# Altium PCB 第十三届电磁PCB.PcbDoc (part 1 of 2) (continued)
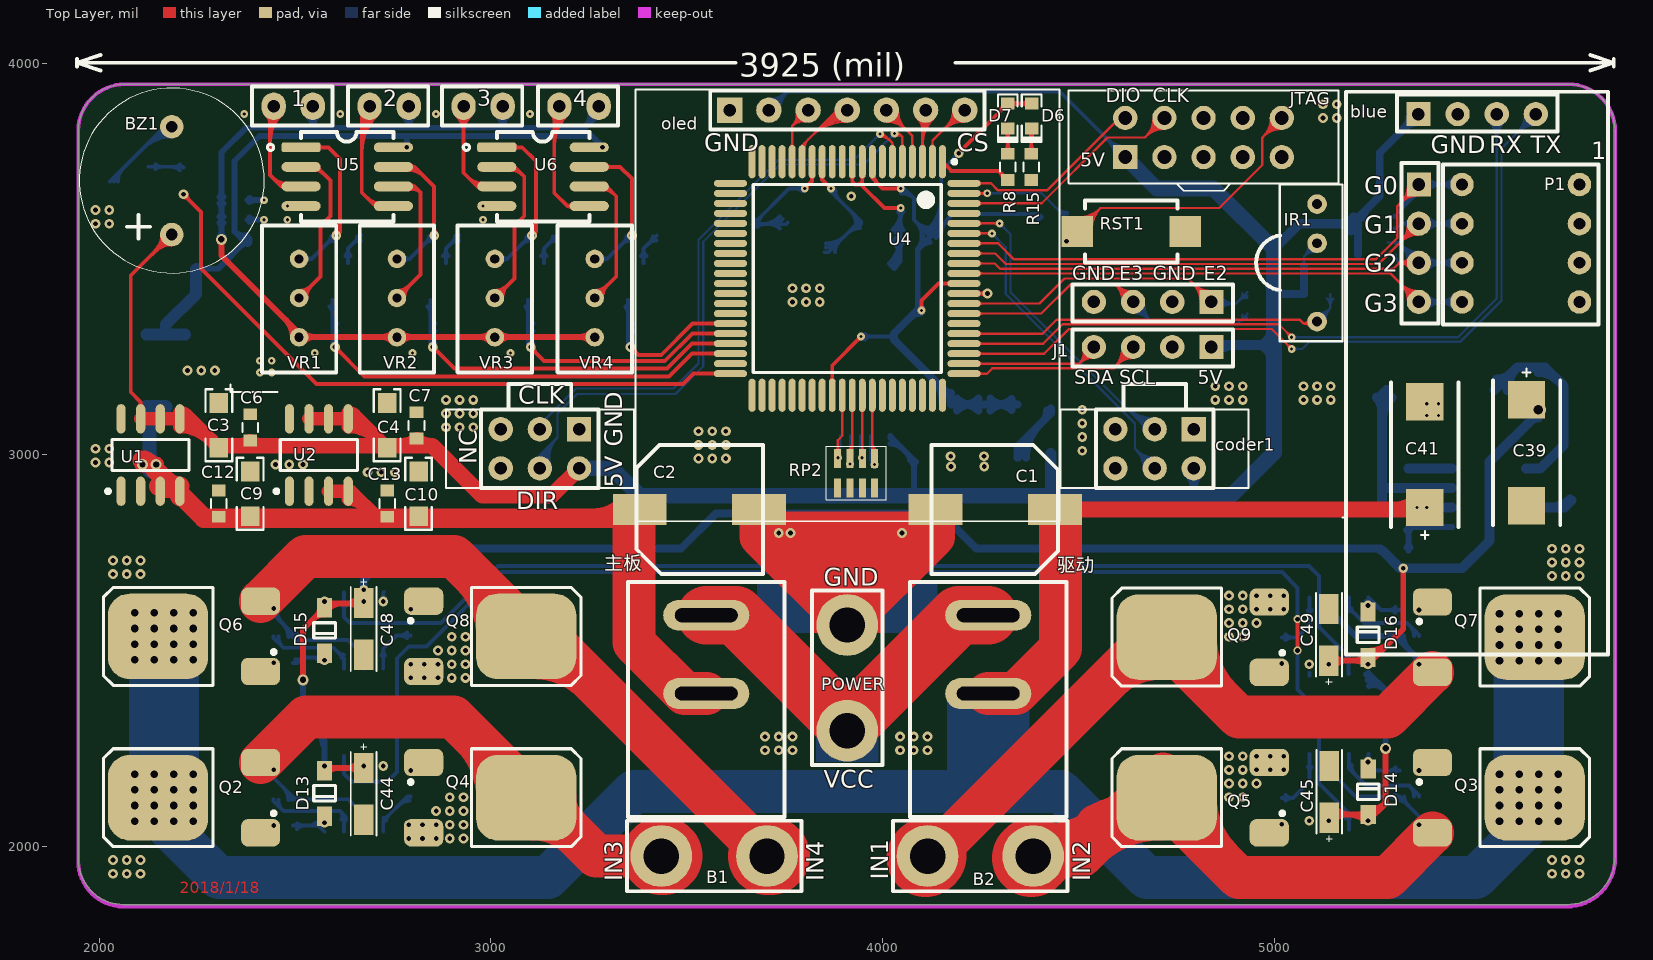
[diagram p0: Top Layer view]
## Nets (pads, with @x,y where several pads share a name; then routed paths per layer and width w, separated by ;. In a path a pad name is that pad's centre, name@x,y a point inside that pad or via, vN(x,y) a via of type N, cw(c..) or ccw(c..) an arc to the next point about the centre after c; other vN are vias at no path point) (continued)
  Bottom Layer w15: U7.20@4020,3027.97 cw(c4020,2983.24) 4051.63,3014.87 ; U7.20@4020,3042.97 cw(c4020,3034.46) 4026.02,3040.48 ; U7.20@4020,3048.03 4020,3046.5 C38.2@4080,2986.5 4080,2895 ; 4062.93,3003.57 cw(c4045.86,2986.5) C38.2@4070,2986.5 ; C38.2@4074.7,2981.2 cw(c4061.89,2968.39) 4080,2968.39 cw(c4098.11,2968.39) C38.2@4085.3,2981.2
  Bottom Layer w20: coder1.6@4780.15,2950.15 cw(c4744.3,2914.3) 4795,2914.3 cw(c4845.7,2914.3) coder1.6@4809.85,2950.15 ; 4795,2895 coder1.6@4795,2965 ; R3.2@4998.5,3415 5000,3413.5 5003.5,3410 R5.2@5076.5,3410 C16.2@5076.5,3470 ; R3.2@5002.04,3416.04 ccw(c5016.61,3430.61) 5016.61,3410 ; RP1.8@5214.41,3510.51 RP1.6@5214.41,3542.01 RP1.4@5214.41,3573.5 RP1.2@5214.41,3605 5270,3660.59 5270,3771.29 blue.1@5368.71,3870 ; RP1.2@5228.42,3605 cw(c5262.26,3605) 5238.33,3628.93 ; blue.1@5347.71,3870 cw(c5297.01,3870) 5332.86,3834.15 cw(c5368.71,3798.3) blue.1@5368.71,3849
  Bottom Layer w25: J1.1@4840,3280 5000,3280 ; J1.1@4853.08,3261.92 cw(c4896.73,3218.27) 4896.73,3280 ; J1.1@4853.08,3288.08 ccw(c4872.59,3307.59) 4872.59,3280 ; 5000,3525 5065,3590 5199.41,3590 ; 5168.22,3590 cw(c5168.22,3542.47) RP1.4@5201.83,3576.08 ; 5171.83,3590 ccw(c5171.83,3632.42) RP1.2@5201.83,3602.42 ; RP1.4@5195.89,3572.09 cw(c5210.98,3578.43) 5199.41,3590 ; RP1.2@5202.6,3606.42 cw(c5188.83,3600.58) 5199.41,3590 ; RP1.4@5211.42,3571.42 cw(c5232.98,3586.43) RP1.2@5214.41,3605 5199.41,3590
  Bottom Layer w30: 4430,2900 D3.1@4430,3001.93
  Bottom Layer w40: P-coder2.6@3225,2965 3310,2965 3380,2895 4080,2895 4425,2895 ; 4430,2900 4425,2895 ; JTAG.1@4620,3760 4700,3680 4845,3680 5000,3525 5000,3413.5 5000,3280 5000,3005 4890,2895 4795,2895 4425,2895
7V2: POWER.2 主板.1 驱动.1 | length 971.1
  Top Layer w150: 主板.1@3550,2590 3625,2590 POWER.2@3910,2305 ; POWER.2@3910,2295 POWER.2@3910,2305 ; 驱动.1@4270,2590 4195,2590 POWER.2@3910,2305
  Bottom Layer w150: POWER.2@3910,2290 POWER.2@3910,2295
12V: C39.1 C44.1 C45.1 C48.1 C49.1 D12.2 D13.1 D14.1 D15.1 D16.1 R25.1 U9.1 U9.3 U10.1 U10.3 U11.1 U11.3 U12.1 U12.3 | length 6524
  Top Layer w15: v4@2515.4,2429.6 ccw(c2504.31,2440.69) 2520,2440.69 ccw(c2535.69,2440.69) v4@2524.6,2429.6 ; v4(2520,2425) 2520,2554.07 D15.1@2575,2609.07 ; 2545.8,2579.87 cw(c2575,2550.67) D15.1@2575,2591.96 ; 2555.2,2589.27 ccw(c2519.47,2625) D15.1@2570,2625 ; D15.1@2557.68,2591.75 ccw(c2545.28,2604.15) D15.1@2562.82,2604.15 ; v1(2575,2205) 2580,2200 C44.1@2675,2200 ; D15.1@2575,2620 2674,2620 C48.1@2675,2621 v1(2675,2625) C48.1@2675,2615 ; D13.1@2578.27,2201.22 cw(c2585.42,2192.95) D13.1@2590.88,2202.41 ; D13.1@2578.54,2208.54 ccw(c2599.14,2229.14) 2599.14,2200 ; D15.1@2578.54,2628.54 ccw(c2599.14,2649.14) 2599.14,2620 ; D13.1@2583.62,2189.38 cw(c2609.26,2163.73) 2609.26,2200 ; D13.1@2583.62,2206.61 ccw(c2599.57,2222.56) 2599.57,2200 ; D15.1@2583.62,2605.38 cw(c2618.92,2570.07) 2618.92,2620 ; 2630.34,2620 ccw(c2630.34,2665.66) C48.1@2662.63,2633.37 ; 2635.17,2620 cw(c2635.17,2581.17) C48.1@2662.63,2608.63 ; 2648.88,2625.44 cw(c2657.79,2609.99) C48.1@2671.23,2621.71 ; 2649.97,2205.07 cw(c2658.53,2190.25) C44.1@2671.27,2201.66 ; C44.1@2650.86,2200 ccw(c2650.86,2229.14) C44.1@2671.46,2208.54 ; C48.1@2650.86,2620 ccw(c2650.86,2649.14) C48.1@2671.46,2628.54 ; C44.1@2662.63,2187.63 ccw(c2632.75,2157.75) 2632.75,2200 ccw(c2632.75,2242.25) C44.1@2662.63,2212.37 ; C48.1@2664.66,2634.55 cw(c2671.79,2622.2) C48.1@2682.54,2631.57 ; C44.1@2665.97,2214.3 cw(c2672.59,2202.84) C44.1@2682.45,2211.67 ; C45.1@5132.93,2072.07 cw(c5154.31,2050.69) C45.1@5154.31,2080.93 ; C49.1@5140,2474 5232.07,2474 D16.1@5240,2481.93 5256.93,2481.93 5330,2555 v1(5330,2710) ; C45.1@5141,2073 C45.1@5148.93,2080.93 ; C49.1@5142.32,2469.43 ccw(c5154.08,2491.88) 5166.76,2469.93 ; C45.1@5143.54,2061.46 cw(c5190.53,2014.47) 5190.53,2080.93 ; C49.1@5143.54,2461.46 cw(c5173.8,2431.2) 5173.8,2474 ; C45.1@5144.85,2066.21 cw(c5159.89,2069.97) C45.1@5148.93,2080.93 ; C49.1@5152.37,2461.63 cw(c5182.25,2431.75) 5182.25,2474 cw(c5182.25,2516.25) C49.1@5152.37,2486.37 ; C45.1@5153.37,2074.31 cw(c5169.36,2058.32) 5169.36,2080.93 ; C45.1@5153.37,2099.06 ccw(c5197.14,2142.82) 5197.14,2080.93 ; 5189.47,2080.93 cw(c5189.47,2014.47) D14.1@5236.46,2061.46 ; 5203.32,2474 ccw(c5203.32,2513.69) D16.1@5231.38,2485.62 ; 5206.2,2474 cw(c5206.2,2431.2) D16.1@5236.46,2461.46 ; 5217.84,2474 cw(c5217.84,2454.85) D16.1@5231.38,2468.39 ; D14.1@5225.53,2076.27 cw(c5215.18,2058.35) D14.1@5235.17,2063.71 ; D14.1@5225.69,2080.93 cw(c5225.69,2050.69) D14.1@5247.07,2072.07 ; D16.1@5225.99,2471.5 ccw(c5234.37,2486.01) D16.1@5238.71,2469.83 ; D14.1@5232.38,2072.31 ccw(c5211.58,2051.51) 5211.58,2080.93 ccw(c5211.58,2110.35) D14.1@5232.38,2089.55 ; v1(5240,2065) 5285,2110 ; D16.1@5240,2484.04 ccw(c5240,2529.99) 5272.5,2497.5 ; D16.1@5240,2499.04 ccw(c5240,2581.2) 5298.1,2523.1 ; D14.1@5240.41,2083.1 ccw(c5246.15,2109.86) 5265.51,2090.51 ; D14.1@5241,2080.93 C45.1@5148.93,2080.93 ; D14.1@5243.56,2097.76 ccw(c5253.04,2141.96) 5285,2110 ; v4@5280.4,2245.4 cw(c5269.31,2234.31) 5285,2234.31 cw(c5300.69,2234.31) v4@5289.6,2245.4 ; v4(5285,2250) 5285,2110
  Bottom Layer w15: v4@2515.4,2420.4 cw(c2504.31,2409.31) 2520,2409.31 cw(c2535.69,2409.31) v4@2524.6,2420.4 ; v4(2520,2425) 2520,2330 2575,2275 U9.1@2575,2231 v1(2575,2205) ; 2556.46,2293.54 cw(c2522.11,2259.19) U9.1@2570.69,2259.19 ; v1(2675,2625) U11.3@2675,2648 ; U12.1@5234.5,2438.67 cw(c5238.06,2425.07) U12.1@5247.99,2435.01 ; U12.1@5238.3,2424.15 cw(c5245.73,2395.73) 5266.5,2416.5 ; U12.1@5241,2442 5285,2398 ; U12.1@5242.09,2409.64 cw(c5253.39,2366.4) 5285,2398 ; v4@5280.4,2254.6 ccw(c5269.31,2265.69) 5285,2265.69 ccw(c5300.69,2265.69) v4@5289.6,2254.6 ; v4(5285,2250) 5285,2398
  Bottom Layer w20: U11.3@2675,2648 2675,2680 2755,2760 3485,2760 3575,2850 4150,2850 4240,2760 5271.5,2760 R25.1@5276.5,2755 ; 5258.39,2760 cw(c5258.39,2739.39) R25.1@5272.96,2753.96
  Bottom Layer w25: R25.1@5276.5,2755 5321.5,2710 v1(5330,2710) ; 5315.49,2716.01 ccw(c5330,2730.52) v1(5330,2710) ; 5654.33,3086.26 cw(c5675,3065.6) D12.2@5675,3094.82 ; D12.2@5656.49,3088.42 ccw(c5629.91,3115) D12.2@5667.5,3115 ; D12.2@5675,3106.93 5550,2981.93 5550,2780 5480,2710 v1(5330,2710)
  other v1: 5140,2065 2675,2205 5140,2465 5240,2465 2575,2625 2675,2655
  other v6: 5675,3115
BUZZ: R6.2 U4.40 | length 1736.8
  Top Layer w10: v1@2215,3657.5 cw(c2215,3639.39) 2227.8,3652.2 cw(c2240.61,3665) v1@2222.5,3665 ; v1(2215,3665) 2260,3620 2260,3475 2555,3180 3490,3180 3516.89,3206.89 U4.40@3611.77,3206.89 ; U4.40@3575.58,3204.16 ccw(c3568.99,3197.57) 3568.99,3206.89 ccw(c3568.99,3216.2) U4.40@3575.58,3209.62
CS_OLED: oled.7 U4.2 | length 489.7
  Top Layer w6: U4.2@4123.38,3785.83 ccw(c4113.38,3795.84) 4127.52,3795.84 ccw(c4141.66,3795.84) U4.2@4131.66,3785.83 ; U4.2@4127.52,3748.23 4127.52,3802.52 4205,3880 oled.7@4210,3880 ; 4151.1,3826.1 cw(c4210,3767.21) oled.7@4210,3850.5 ; 4161.35,3836.35 cw(c4210,3787.69) oled.7@4210,3856.5 ; 4163.18,3838.18 ccw(c4121.35,3880) oled.7@4180.5,3880 ; 4171.59,3846.59 cw(c4210,3808.18) oled.7@4210,3862.5 ; 4173.42,3848.42 ccw(c4141.84,3880) oled.7@4186.5,3880 ; 4181.83,3856.83 cw(c4210,3828.67) oled.7@4210,3868.5 ; 4183.66,3858.66 ccw(c4162.32,3880) oled.7@4192.5,3880
D0_CLK: oled.3 U4.16 | length 358.7
  Top Layer w6: U4.16@3765.11,3785.83 ccw(c3755.11,3795.84) 3769.25,3795.84 ccw(c3783.4,3795.84) U4.16@3773.4,3785.83 ; U4.16@3769.25,3748.23 3769.25,3839.25 ; oled.3@3780.88,3875.27 cw(c3739.89,3868.62) 3769.26,3839.26 ; oled.3@3786.8,3876.23 cw(c3754.15,3870.93) 3777.54,3847.54 cw(c3800.93,3824.15) oled.3@3806.23,3856.8 ; oled.3@3792.73,3877.2 cw(c3768.41,3873.25) 3785.83,3855.83 cw(c3803.25,3838.41) oled.3@3807.2,3862.73 ; oled.3@3805.27,3850.88 ccw(c3798.62,3809.89) 3769.26,3839.26 ; oled.3@3810,3880 3769.25,3839.25
D1_MISO_SIN: oled.4 U4.15 | length 693.8
  Top Layer w6: U4.15@3794.7,3781.69 cw(c3814.03,3781.69) 3800.36,3795.36 ; U4.15@3794.84,3748.23 3794.84,3789.84 3885,3880 oled.4@3910,3880 ; U4.15@3800.7,3781.69 cw(c3834.52,3781.69) 3810.61,3805.61 ; 3816.96,3811.96 cw(c3910,3718.93) oled.4@3910,3850.5 ; 3827.21,3822.21 cw(c3910,3739.41) oled.4@3910,3856.5 ; 3837.45,3832.45 cw(c3910,3759.9) oled.4@3910,3862.5 ; 3847.69,3842.69 cw(c3910,3780.38) oled.4@3910,3868.5 ; 3857.93,3852.93 cw(c3910,3800.87) oled.4@3910,3874.5 ; 3868.18,3863.18 cw(c3910,3821.35) oled.4@3910,3880.5 ; 3877.32,3872.32 ccw(c3869.64,3880) oled.4@3880.5,3880
D7V2: C1.1 C41.1 Q2.2 Q3.2 Q6.2 Q7.2 R23.2 U8.6 驱动.2 | length 5804.1
  Top Layer w40: C1.1@4440,2860 C41.1@5375,2860 ; C1.1@4483.22,2846.3 cw(c4516.29,2813.24) 4516.29,2860 cw(c4516.29,2906.76) C1.1@4483.22,2873.7 ; 5307.39,2860 ccw(c5307.39,2942.31) C41.1@5365.6,2884.11 ; 5330.11,2860 cw(c5330.11,2809.81) C41.1@5365.6,2845.3
  Top Layer w50: C41.1@5375,2860 C41.1@5385,2870
  Top Layer w110: 驱动.2@4270,2390 4340,2390 4455,2505 4455,2815
  Bottom Layer w25: v3@5365.38,2862.53 cw(c5361.3,2888.8) R23.2@5342.5,2870 R23.2@5347.5,2865 ; v3@5366.33,2862.88 cw(c5358.24,2875.74) R23.2@5347.5,2865 ; U8.6@5454.51,2865 R23.2@5347.5,2865
  Bottom Layer w110: v2(2140,2144) v2(2140,2104) 2140,2085 2305,1920 3145,1920 3365,2140 4455,2140 4675,1920 5515,1920 5676,2081 v2(5676,2104) v2(5676,2144)
  other v2: 2090,2064 2140,2064 2190,2064 2240,2064 5576,2064 5626,2064 5676,2064 5726,2064 2090,2104 2190,2104 2240,2104 5576,2104 5626,2104 5726,2104 2090,2144 2190,2144 2240,2144 5576,2144 5626,2144 5726,2144 2090,2184 2140,2184 2190,2184 2240,2184 5576,2184 5626,2184 5676,2184 5726,2184 5576,2474 5626,2474 5676,2474 5726,2474 2090,2476 2140,2476 2190,2476 2240,2476 5576,2514 5626,2514 5676,2514 5726,2514 2090,2516 2140,2516 2190,2516 2240,2516 5576,2554 5626,2554 5676,2554 5726,2554 2090,2556 2140,2556 2190,2556 2240,2556 5576,2594 5626,2594 5676,2594 5726,2594 2090,2596 2140,2596 2190,2596 2240,2596
  other v3: 5365,2865 5390,2865
DC_MOSI_SOUT: oled.6 U4.3 | length 510.9
  Top Layer w6: oled.6@4089.14,3859.14 cw(c4058.26,3828.26) 4101.93,3828.26 ; oled.6@4093.38,3863.38 cw(c4072.75,3842.75) 4101.93,3842.75 ; U4.3@4097.79,3785.83 ccw(c4087.79,3795.84) 4101.93,3795.84 ccw(c4116.07,3795.84) U4.3@4106.07,3785.83 ; U4.3@4098.21,3786.22 ccw(c4090.84,3795.19) 4102.4,3794.06 ; U4.3@4101.93,3748.23 4101.93,3871.93 oled.6@4110,3880 ; U4.3@4101.93,3789.3 cw(c4200.7,3789.3) oled.6@4130.86,3859.14 ; 4101.93,3803.78 cw(c4186.22,3803.78) oled.6@4126.62,3863.38 ; 4101.93,3818.27 cw(c4171.73,3818.27) oled.6@4122.37,3867.63 ; 4101.93,3832.75 cw(c4157.25,3832.75) oled.6@4118.13,3871.87 ; 4101.93,3847.24 cw(c4142.76,3847.24) oled.6@4113.89,3876.11 ; 4102.75,3797.62 ccw(c4119.34,3796) U4.3@4106.46,3785.41
EXTAL: C26.2 R16.2 U4.13 Y1.3 | length 654.6
  Top Layer w10: U4.13@3843.3,3712.04 cw(c3836.71,3705.45) 3846.03,3705.45 cw(c3855.34,3705.45) U4.13@3848.75,3712.04 ; U4.13@3846.03,3748.23 3846.03,3702.47 v3(3868.5,3680) ; v3@3863.5,3680 ccw(c3851.43,3680) 3859.96,3688.54 ccw(c3868.5,3697.07) v3@3868.5,3685
  Bottom Layer w10: Y1.3@3852,3517 3862,3517 3933.5,3588.5 C26.2@3945,3588.5 3945,3595 3868.5,3671.5 v3(3868.5,3680) ; Y1.3@3855.94,3529.56 ccw(c3855.94,3574.52) 3887.73,3542.73 ; Y1.3@3855.94,3539.56 ccw(c3855.94,3608.66) 3904.8,3559.8 ; R16.2@3871,3684.33 cw(c3861.65,3668.14) R16.2@3879.71,3672.98 ; R16.2@3873.5,3680 ccw(c3906.09,3680) 3883.05,3656.95 ; Y1.3@3878.5,3517 cw(c3918.32,3517) 3890.16,3545.16 ; R16.2@3878.5,3677.5 ccw(c3917.13,3677.5) 3889.81,3650.19 ; 3910.06,3565.06 cw(c3942.5,3532.63) C26.2@3942.5,3578.5 ; 3919.06,3620.94 cw(c3886.63,3588.5) C26.2@3932.5,3588.5 ; 3927.14,3582.14 cw(c3942.5,3566.77) 3942.5,3588.5 ccw(c3920.77,3588.5) 3936.14,3603.86
GND: blue.2 C1.2 C2.2 C3.2 C4.2 C5.2 C6.1 C7.1 C8.1 C9.2 C10.2 C11.2 C12.2 C13.1 C14.2 C15.1 C16.1 C19.2 C20.2 C21.1 C22.1 C23.1 C24.1 C25.1 C26.1 C38.1 coder1.1 D4.1 D5.1 IR1.1 J1.2 JTAG.2 JTAG.3 oled.1 P1.1 P1.2 P1.3 P1.4 P-coder2.1 POWER.1 Q1.2 R8.2 R9.2 R10.2 R11.2 R12.2 R14.2 REED1.2 REED1.4 RP2.1 RP2.3 RP2.5 RP2.7 RST1.2 U1.1 U1.2 U2.1 U2.2 U3.1 U3.2 U4.11 U4.12 U4.48 U4.69 U7.1 U7.6 U7.7 U7.8 U7.9 U7.10 U7.11 U7.12 U7.13 U7.14 U7.19 | length 1120.7
  Top Layer w10: U4.69@4208.23,3411.61 v1(4268.39,3411.61) ; U4.69@4244.42,3408.89 cw(c4251.01,3402.3) 4251.01,3411.61 cw(c4251.01,3420.93) U4.69@4244.42,3414.34 ; v1@4263.08,3406.31 ccw(c4250.28,3393.51) 4250.28,3411.61 ccw(c4250.28,3429.72) v1@4263.08,3416.92
  Top Layer w100: C2.2@3685,2835 3685,2790 POWER.1@3910,2565 4135,2790 C1.2@4135,2840
  Bottom Layer w20: v1(3735,2800) U7.10@3789.68,2800 U7.9@3815.28,2800 U7.8@3840.87,2800 U7.7@3866.46,2800 U7.6@3892.05,2800 ; U7.1@4020,2800 v1(4050,2800)
  Bottom Layer w60: POWER.1@3875,2530 POWER.1@3910,2565 POWER.1@3945,2530
  other v1: 3765,2800 2685,2955 2720,2955 2755,2955 4175,2970 4260,2970 2450,2975 2485,2975 2520,2975 1990,2980 2025,2980 3530,2990 3565,2990 3600,2990 4174,2996 4259,2996 4510,3010 1990,3015 2025,3015 3530,3025 3565,3025 3600,3025 4510,3045 3530,3060 3565,3060 3600,3060 2885,3070 2920,3070 2955,3070 4510,3080 2885,3105 2920,3105 2955,3105 4510,3115 2885,3140 2920,3140 2955,3140 4850,3140 4885,3140 4920,3140 5075,3140 5110,3140 5145,3140 4850,3175 4885,3175 4920,3175 5075,3175 5110,3175 5145,3175 2225,3215 2260,3215 2295,3215 3770,3390 3805,3390 3840,3390 3770,3425 3805,3425 3840,3425 1990,3590 2025,3590 1990,3625 2025,3625 3920,3660 5125,3860 5160,3860 5125,3895 5160,3895
IR_OUT: IR1.3 R5.1 U4.65 | length 1263.7
  Top Layer w6: U4.65@4208.23,3309.25 4409.25,3309.25 4445,3345 5065,3345 5075,3335 ; U4.65@4245.83,3305.11 cw(c4255.84,3295.11) 4255.84,3309.25 cw(c4255.84,3323.4) U4.65@4245.83,3313.4 ; 5082.78,3335 ccw(c5082.78,3347.14) IR1.3@5094.52,3344.06 ; IR1.3@5088.72,3345.58 cw(c5075,3349.18) 5075,3335 ; IR1.3@5092.71,3326.4 ccw(c5075,3312.47) 5075,3335 ; IR1.3@5100,3350 IR1.3@5110,3340 5105,3335 5075,3335
  Bottom Layer w6: IR1.3@5110,3340 5143.5,3373.5 ; IR1.3@5111.34,3355.94 ccw(c5113.79,3384.94) 5134.36,3364.36 ccw(c5154.94,3343.79) IR1.3@5125.94,3341.34 ; IR1.3@5111.85,3361.92 ccw(c5115.21,3401.79) 5143.5,3373.5 ; IR1.3@5131.92,3341.85 cw(c5171.79,3345.21) 5143.5,3373.5 ; R5.1@5135.01,3399.01 cw(c5114.53,3378.53) 5143.5,3378.53 cw(c5172.47,3378.53) R5.1@5151.99,3399.01 ; R5.1@5143.5,3410 5143.5,3373.5
K1: J_debug1.1 P1.5 RP1.1 U4.74 | length 2739
  Top Layer w6: U4.74@4208.23,3539.57 4295.43,3539.57 4336.2,3498.8 5259.8,3498.8 5315,3554 5315,3635 J_debug1.1@5370,3690 ; U4.74@4245.83,3535.42 cw(c4255.84,3525.42) 4255.84,3539.57 cw(c4255.84,3553.71) U4.74@4245.83,3543.71 ; J_debug1.1@5342,3690 cw(c5274.4,3690) 5322.2,3642.2 cw(c5370,3594.4) J_debug1.1@5370,3662 ; J_debug1.1@5348,3690 cw(c5294.89,3690) 5332.44,3652.44 cw(c5370,3614.89) J_debug1.1@5370,3668 ; J_debug1.1@5354,3690 cw(c5315.37,3690) 5342.69,3662.69 cw(c5370,3635.37) J_debug1.1@5370,3674
  Bottom Layer w6: RP1.1@5290,3605 5305,3605 5370,3670 J_debug1.1@5370,3690 P1.5@5480,3690 ; RP1.1@5304.5,3610.82 ccw(c5302.78,3626.1) 5314.8,3616.51 ; RP1.1@5305.16,3610.86 ccw(c5305.16,3624.62) 5314.89,3614.89 ; RP1.1@5308.06,3608.06 ccw(c5226.12,3690) J_debug1.1@5342,3690 ; RP1.1@5311.02,3605 cw(c5325.54,3605) 5315.27,3615.27 ; RP1.1@5310.98,3605.66 cw(c5323.81,3607.1) 5313.72,3615.15 ; 5318.3,3618.3 ccw(c5246.6,3690) J_debug1.1@5348,3690 ; 5328.54,3628.54 ccw(c5267.09,3690) J_debug1.1@5354,3690 ; 5338.79,3638.79 ccw(c5287.57,3690) J_debug1.1@5360,3690 ; 5349.03,3649.03 ccw(c5308.06,3690) J_debug1.1@5366,3690 ; 5356.34,3656.34 cw(c5370,3642.69) J_debug1.1@5370,3662 ; J_debug1.1@5359.27,3659.27 ccw(c5328.54,3690) J_debug1.1@5372,3690 ; J_debug1.1@5381.31,3678.69 cw(c5408.63,3651.37) 5408.63,3690 cw(c5408.63,3728.63) J_debug1.1@5381.31,3701.31 ; J_debug1.1@5385.56,3674.44 cw(c5423.11,3636.89) 5423.11,3690 cw(c5423.11,3743.11) J_debug1.1@5385.56,3705.56 ; J_debug1.1@5389.8,3670.2 cw(c5437.6,3622.4) 5437.6,3690 cw(c5437.6,3757.6) J_debug1.1@5389.8,3709.8 ; P1.5@5460.91,3670.91 ccw(c5414.82,3624.82) 5414.82,3690 ccw(c5414.82,3755.18) P1.5@5460.91,3709.09 ; P1.5@5465.15,3675.15 ccw(c5429.3,3639.3) 5429.3,3690 ccw(c5429.3,3740.7) P1.5@5465.15,3704.85 ; P1.5@5469.39,3679.39 ccw(c5443.79,3653.79) 5443.79,3690 ccw(c5443.79,3726.21) P1.5@5469.39,3700.61
K2: J_debug1.2 P1.6 RP1.3 U4.73 | length 2279.9
  Top Layer w6: U4.73@4208.23,3513.97 4288.03,3513.97 4315,3487 4331.03,3487 4331.23,3486.8 5264.77,3486.8 5264.97,3487 5267,3487 J_debug1.2@5370,3590 ; U4.73@4245.83,3509.83 cw(c4255.84,3499.83) 4255.84,3513.97 cw(c4255.84,3528.12) U4.73@4245.83,3518.12 ; J_debug1.2@5342,3590 cw(c5274.4,3590) 5322.2,3542.2 cw(c5370,3494.4) J_debug1.2@5370,3562 ; J_debug1.2@5348,3590 cw(c5294.89,3590) 5332.44,3552.44 cw(c5370,3514.89) J_debug1.2@5370,3568 ; J_debug1.2@5354,3590 cw(c5315.37,3590) 5342.69,3562.69 cw(c5370,3535.37) J_debug1.2@5370,3574
  Bottom Layer w6: RP1.3@5290,3573.5 5308.5,3573.5 5325,3590 ; RP1.3@5305.16,3579.36 ccw(c5305.16,3601.58) 5320.87,3585.87 ; J_debug1.2@5344.88,3577.63 ccw(c5325,3567.84) 5325,3590 ; J_debug1.2@5344.88,3602.37 cw(c5325,3612.16) 5325,3590 ; J_debug1.2@5350.26,3580.28 ccw(c5334.64,3572.59) 5334.64,3590 ccw(c5334.64,3607.41) J_debug1.2@5350.26,3599.72 ; J_debug1.2@5381.31,3578.69 cw(c5408.63,3551.37) 5408.63,3590 cw(c5408.63,3628.63) J_debug1.2@5381.31,3601.31 ; J_debug1.2@5385.56,3574.44 cw(c5423.11,3536.89) 5423.11,3590 cw(c5423.11,3643.11) J_debug1.2@5385.56,3605.56 ; J_debug1.2@5389.8,3570.2 cw(c5437.6,3522.4) 5437.6,3590 cw(c5437.6,3657.6) J_debug1.2@5389.8,3609.8 ; P1.6@5460.91,3570.91 ccw(c5414.82,3524.82) 5414.82,3590 ccw(c5414.82,3655.18) P1.6@5460.91,3609.09 ; P1.6@5465.15,3575.15 ccw(c5429.3,3539.3) 5429.3,3590 ccw(c5429.3,3640.7) P1.6@5465.15,3604.85 ; P1.6@5469.39,3579.39 ccw(c5443.79,3553.79) 5443.79,3590 ccw(c5443.79,3626.21) P1.6@5469.39,3600.61 ; P1.6@5480,3590 J_debug1.2@5370,3590 5325,3590
K3: J_debug1.3 P1.7 RP1.5 U4.72 | length 2277.7
  Top Layer w6: U4.72@4208.23,3488.39 4286.61,3488.39 4300,3475 4326.06,3475 4326.26,3474.8 5269.74,3474.8 5269.94,3475 5305,3475 5320,3490 ; U4.72@4245.83,3484.24 cw(c4255.84,3474.24) 4255.84,3488.39 cw(c4255.84,3502.53) U4.72@4245.83,3492.53 ; J_debug1.3@5346.13,3475.37 ccw(c5320,3459.36) 5320,3490 ; J_debug1.3@5346.13,3504.63 cw(c5320,3520.64) 5320,3490 ; J_debug1.3@5351.24,3478.51 ccw(c5330.72,3465.93) 5330.72,3490 ccw(c5330.72,3514.07) J_debug1.3@5351.24,3501.49 ; J_debug1.3@5370,3490 5320,3490
  Bottom Layer w6: RP1.5@5290,3542.01 5317.99,3542.01 ; RP1.5@5309.58,3538.17 cw(c5317.99,3530.88) 5317.99,3542.01 ; RP1.5@5309.58,3545.85 ccw(c5317.99,3553.14) 5317.99,3542.01 ; J_debug1.3@5342,3490 ccw(c5274.4,3490) 5322.2,3537.8 ccw(c5370,3585.6) J_debug1.3@5370,3518 ; J_debug1.3@5348,3490 ccw(c5294.89,3490) 5332.44,3527.56 ccw(c5370,3565.11) J_debug1.3@5370,3512 ; J_debug1.3@5354,3490 ccw(c5315.37,3490) 5342.69,3517.31 ccw(c5370,3544.63) J_debug1.3@5370,3506 ; J_debug1.3@5381.31,3478.69 cw(c5408.63,3451.37) 5408.63,3490 cw(c5408.63,3528.63) J_debug1.3@5381.31,3501.31 ; J_debug1.3@5385.56,3474.44 cw(c5423.11,3436.89) 5423.11,3490 cw(c5423.11,3543.11) J_debug1.3@5385.56,3505.56 ; J_debug1.3@5389.8,3470.2 cw(c5437.6,3422.4) 5437.6,3490 cw(c5437.6,3557.6) J_debug1.3@5389.8,3509.8 ; P1.7@5460.91,3470.91 ccw(c5414.82,3424.82) 5414.82,3490 ccw(c5414.82,3555.18) P1.7@5460.91,3509.09 ; P1.7@5465.15,3475.15 ccw(c5429.3,3439.3) 5429.3,3490 ccw(c5429.3,3540.7) P1.7@5465.15,3504.85 ; P1.7@5469.39,3479.39 ccw(c5443.79,3453.79) 5443.79,3490 ccw(c5443.79,3526.21) P1.7@5469.39,3500.61 ; P1.7@5480,3490 J_debug1.3@5370,3490 5317.99,3542.01
K4: J_debug1.4 P1.8 RP1.7 U4.71 | length 2483.1
  Top Layer w6: U4.71@4208.23,3462.8 5297.2,3462.8 J_debug1.4@5370,3390 ; U4.71@4245.83,3458.65 cw(c4255.84,3448.65) 4255.84,3462.8 cw(c4255.84,3476.94) U4.71@4245.83,3466.94 ; J_debug1.4@5342,3390 ccw(c5274.4,3390) 5322.2,3437.8 ccw(c5370,3485.6) J_debug1.4@5370,3418 ; J_debug1.4@5348,3390 ccw(c5294.89,3390) 5332.44,3427.56 ccw(c5370,3465.11) J_debug1.4@5370,3412 ; J_debug1.4@5354,3390 ccw(c5315.37,3390) 5342.69,3417.31 ccw(c5370,3444.63) J_debug1.4@5370,3406
  Bottom Layer w6: RP1.7@5290,3510.51 5299.49,3510.51 5325,3485 5325,3435 ; RP1.7@5305.02,3510.51 ccw(c5318.36,3510.51) 5308.92,3501.08 ; RP1.7@5311.02,3510.51 ccw(c5338.85,3510.51) 5319.17,3490.83 ; J_debug1.4@5342.03,3391.22 ccw(c5283.77,3393.76) 5325,3435 ; J_debug1.4@5348.02,3390.96 ccw(c5302.25,3392.96) 5334.64,3425.36 ccw(c5367.04,3457.75) J_debug1.4@5369.04,3411.98 ; J_debug1.4@5354.02,3390.7 ccw(c5320.72,3392.15) 5344.29,3415.71 ccw(c5367.85,3439.28) J_debug1.4@5369.3,3405.98 ; J_debug1.4@5368.78,3417.97 cw(c5366.24,3476.23) 5325,3435 ; J_debug1.4@5381.31,3378.69 cw(c5408.63,3351.37) 5408.63,3390 cw(c5408.63,3428.63) J_debug1.4@5381.31,3401.31 ; J_debug1.4@5385.56,3374.44 cw(c5423.11,3336.89) 5423.11,3390 cw(c5423.11,3443.11) J_debug1.4@5385.56,3405.56 ; J_debug1.4@5389.8,3370.2 cw(c5437.6,3322.4) 5437.6,3390 cw(c5437.6,3457.6) J_debug1.4@5389.8,3409.8 ; P1.8@5460.91,3370.91 ccw(c5414.82,3324.82) 5414.82,3390 ccw(c5414.82,3455.18) P1.8@5460.91,3409.09 ; P1.8@5465.15,3375.15 ccw(c5429.3,3339.3) 5429.3,3390 ccw(c5429.3,3440.7) P1.8@5465.15,3404.85 ; P1.8@5469.39,3379.39 ccw(c5443.79,3353.79) 5443.79,3390 ccw(c5443.79,3426.21) P1.8@5469.39,3400.61 ; P1.8@5480,3390 J_debug1.4@5370,3390 5325,3435
LED0: R15.2 U4.1 | length 225
  Top Layer w10: U4.1@4153.11,3748.23 4175,3726.34 4175,3725 4296.5,3725 R15.2@4320,3701.5 ; 4298.66,3722.84 cw(c4277.32,3701.5) R15.2@4307.5,3701.5 ; 4304.7,3716.8 ccw(c4317.5,3729.61) R15.2@4317.5,3711.5
M7V2: C2.1 C9.1 C10.1 C11.1 C12.1 C13.2 C14.1 U1.3 U1.4 U2.3 U2.4 U3.3 U3.4 主板.2 | length 2765.3
  Top Layer w35: U1.3@2155.39,2906.69 2198.31,2906.69 U1.4@2205.39,2906.69 ; U2.3@2585.39,2906.69 U2.4@2635.39,2906.69 2641.31,2906.69 2710,2838 ; U2.4@2635.39,2886.79 cw(c2635.39,2824.47) 2679.46,2868.54 ; 2692.38,2855.62 ccw(c2732.5,2895.73) C13.2@2732.5,2839
  Top Layer w40: v4@2108.46,2980.8 cw(c2114.19,2959.2) 2130,2975 ; v4(2110,2975) 2130,2975 ; v4@2110,2981 cw(c2110,2947.2) v4@2133.9,2971.1 ; v4@2140,2965 2130,2975 ; v4(2145,2975) 2130,2975 ; C2.1@3352,2838 3355,2835 C2.1@3365,2845
  Top Layer w50: v4@2140,2965 U1.4@2198.31,2906.69 ; U1.3@2152.21,2919.49 cw(c2163.94,2872.33) U1.4@2198.31,2906.69 ; 2172.13,2932.87 ccw(c2205.39,2966.14) U1.4@2205.39,2919.09 ; U1.4@2205.39,2894.29 cw(c2205.39,2881.46) U1.4@2214.47,2890.53 ; 3262.67,2838 ccw(c3262.67,2947.81) C2.1@3340.31,2870.16 ; C2.1@3352,2838 2710,2838 2267,2838 U1.4@2198.31,2906.69 ; v4@2110,2986 cw(c2110,2964.27) 2125.36,2979.64 ccw(c2110,2964.27) v4@2110,2986
  Top Layer w110: C2.1@3365,2845 3365,2520 3495,2390 主板.2@3550,2390
  Bottom Layer w35: C11.1@2112.47,2972.53 ccw(c2074.99,3010.01) 2128,3010.01 ; U3.4@2119.61,3121.69 U3.4@2128,3121.69 ; C11.1@2128,2958 cw(c2148.95,2958) C11.1@2144.21,2978.41 ; C11.1@2128,2975 U3.4@2128,3121.69 ; 2128,3007.59 ccw(c2177.59,3007.59) C11.1@2142.53,2972.53 ; U3.3@2169.61,3121.69 U3.4@2128,3121.69
MOTOR_IN1: U7.2 U12.2 | length 1562.6
  Bottom Layer w10: U7.2@3994.41,2800 3994.41,2770.59 4049,2716 5089,2716 5115,2690 5115,2560 5190,2485 ; U7.2@3995.32,2778.35 ccw(c4016.23,2778.35) 4001.44,2763.56 ; 5169.61,2505.39 cw(c5134.4,2470.19) U12.2@5184.19,2470.19 ; U12.2@5186.18,2475.01 ccw(c5176.97,2484.22) 5190,2484.22 ; 5186.68,2488.32 cw(c5168.55,2470.19) U12.2@5194.19,2470.19 ; U12.2@5191,2441 5190,2440 5190,2485 ; U12.2@5194.85,2475.81 cw(c5201.14,2485) 5190,2485
MOTOR_IN2: U7.3 U10.2 | length 2002.2
  Top Layer w10: v5@5056.46,2503.54 ccw(c5047.93,2512.07) 5060,2512.07 ccw(c5072.07,2512.07) v5@5063.54,2503.54 ; v5@5056.46,2576.46 cw(c5047.93,2567.93) 5060,2567.93 cw(c5072.07,2567.93) v5@5063.54,2576.46 ; v5(5060,2500) v5(5060,2580)
  Bottom Layer w10: U7.3@3968.82,2800 3968.82,2773.55 4042.37,2700 5020,2700 5060,2660 v5(5060,2580) ; U7.3@3969.72,2778.35 ccw(c3983.48,2778.35) 3973.75,2768.62 ; v5@5056.46,2496.46 cw(c5047.93,2487.93) 5060,2487.93 cw(c5072.07,2487.93) v5@5063.54,2496.46 ; v5@5056.46,2583.54 ccw(c5047.93,2592.07) 5060,2592.07 ccw(c5072.07,2592.07) v5@5063.54,2583.54 ; v5(5060,2500) 5060,2400 5115,2345 5115,2160 5191,2084 ; 5169.61,2105.39 cw(c5134.4,2070.19) U10.2@5184.19,2070.19 ; 5186.68,2088.32 cw(c5168.55,2070.19) U10.2@5194.19,2070.19 ; U10.2@5186.85,2075.59 ccw(c5180.4,2084) 5191,2084 ; U10.2@5191,2042 5191,2084 ; U10.2@5195.15,2075.59 cw(c5201.6,2084) 5191,2084
MOTOR_IN3: U7.4 U9.2 | length 1870.8
  Bottom Layer w10: U9.2@2620.18,2197.99 cw(c2608.56,2186.37) 2625,2186.37 cw(c2641.44,2186.37) U9.2@2629.82,2197.99 ; U9.2@2625,2231 2625,2185 2645,2165 2735,2165 2760,2190 2760,2480 2790,2510 2835,2510 3025,2700 3875,2700 3943.23,2768.23 U7.4@3943.23,2800 ; 3934.53,2759.53 ccw(c3915.71,2778.35) U7.4@3942.32,2778.35
MOTOR_IN4: U7.5 U11.2 | length 1523.9
  Bottom Layer w10: U11.2@2620.18,2614.99 cw(c2608.56,2603.37) 2625,2603.37 cw(c2641.44,2603.37) U11.2@2629.82,2614.99 ; U11.2@2625,2648 2625,2585 2640,2570 2872.37,2570 3018.37,2716 3866,2716 3917.64,2767.64 U7.5@3917.64,2800 ; 3908.52,2758.52 ccw(c3888.69,2778.35) U7.5@3916.73,2778.35
NetB1_1: B1.1 C42.2 Q2.3 Q4.2 U9.6 | length 2083.5
  Top Layer w110: Q2.3@2411.73,2213.76 2527.97,2330 2904,2330 Q4.2@3050,2184 ; 2951.32,2282.68 cw(c2792.64,2124) Q4.2@3017.05,2124 ; Q4.2@3100,2144 3269,1975 B1.1@3435,1975 ; Q4.2@3108.7,2069.75 cw(c3108.7,1911.49) 3220.6,2023.4 ; Q4.2@3162.95,2124 ccw(c3266.65,2124) Q4.2@3193.32,2050.68
  Top Layer w200: B1.1@3435,1975 B1.1@3440,1975
  Bottom Layer w10: v1@2439.7,2189.7 cw(c2426.89,2176.89) 2445,2176.89 cw(c2463.11,2176.89) v1@2450.3,2189.7 ; v1(2445,2195) 2445,2175 2495,2125 2495,2120 2635,2120 2675,2080 ; 2469.06,2150.94 cw(c2436.63,2118.5) C42.2@2482.5,2118.5 ; 2486.14,2133.86 cw(c2470.77,2118.5) C42.2@2492.5,2118.5 ; C42.2@2504.57,2111.43 cw(c2525.26,2090.74) 2525.26,2120 ; C42.2@2504.57,2125.57 ccw(c2518.02,2139.02) 2518.02,2120 ; 2652.9,2102.1 cw(c2615.99,2065.19) U9.6@2668.19,2065.19 ; 2669.97,2085.03 cw(c2650.13,2065.19) U9.6@2678.19,2065.19 ; U9.6@2670.57,2070.36 ccw(c2662.3,2080) 2675,2080 ; U9.6@2675,2037 2675,2080 ; U9.6@2679.43,2070.36 cw(c2687.7,2080) 2675,2080
  Bottom Layer w190: B1.1@3435,1975 B1.1@3440,1975
NetB1_2: B1.2 C46.2 Q6.3 Q8.2 U11.6 | length 2552.2
  Top Layer w110: Q6.3@2411.73,2625.76 2525.97,2740 2906,2740 Q8.2@3050,2596 ; 2951.32,2694.68 cw(c2792.64,2536) Q8.2@3017.05,2536 ; Q8.2@3100,2516 Q8.2@3144,2516 ; Q8.2@3100,2556 3124,2556 B1.2@3705,1975 ; Q8.2@3108.7,2481.75 cw(c3108.7,2265.55) 3261.57,2418.43
  Top Layer w200: B1.2@3705,1975 B1.2@3715,1975
  Bottom Layer w10: v1@2440.5,2601 cw(c2433.75,2592) 2445,2592 ; v1@2442.5,2607 ccw(c2472.68,2607) 2451.34,2585.66 ; v1(2445,2607) 2445,2592 ; v1@2449.5,2601 ccw(c2456.25,2592) 2445,2592 ; v1@2452.5,2607 ccw(c2506.82,2607) 2468.41,2568.59 ; 2468.36,2568.64 cw(c2434.22,2534.5) C46.2@2482.5,2534.5 ; 2485.43,2551.57 cw(c2468.36,2534.5) C46.2@2492.5,2534.5 ; C46.2@2497.5,2534.5 ccw(c2515.61,2552.61) 2515.61,2527 ; C46.2@2504.57,2541.57 ccw(c2539.75,2576.75) 2539.75,2527 ; 2659.97,2502.03 cw(c2640.13,2482.19) U11.6@2668.19,2482.19 ; U11.6@2675,2454 2675,2487 2635,2527 2502.5,2527 C46.2@2495,2534.5 2495,2542 2445,2592
  Bottom Layer w190: B1.2@3705,1975 B1.2@3715,1975